# Altium PCB 10515.0461_全联供输出板(2拼版)_V1.0.PcbDoc (part 4 of 9)
Units mm, origin at the board's own origin, x right, y up, seen from the top; angles counter-clockwise.
Board outline 283.88 x 134.8 mm, 2 copper layers (Top Layer, Bottom Layer); 298 components, 0 nets, 1264 pads, 970 vias.
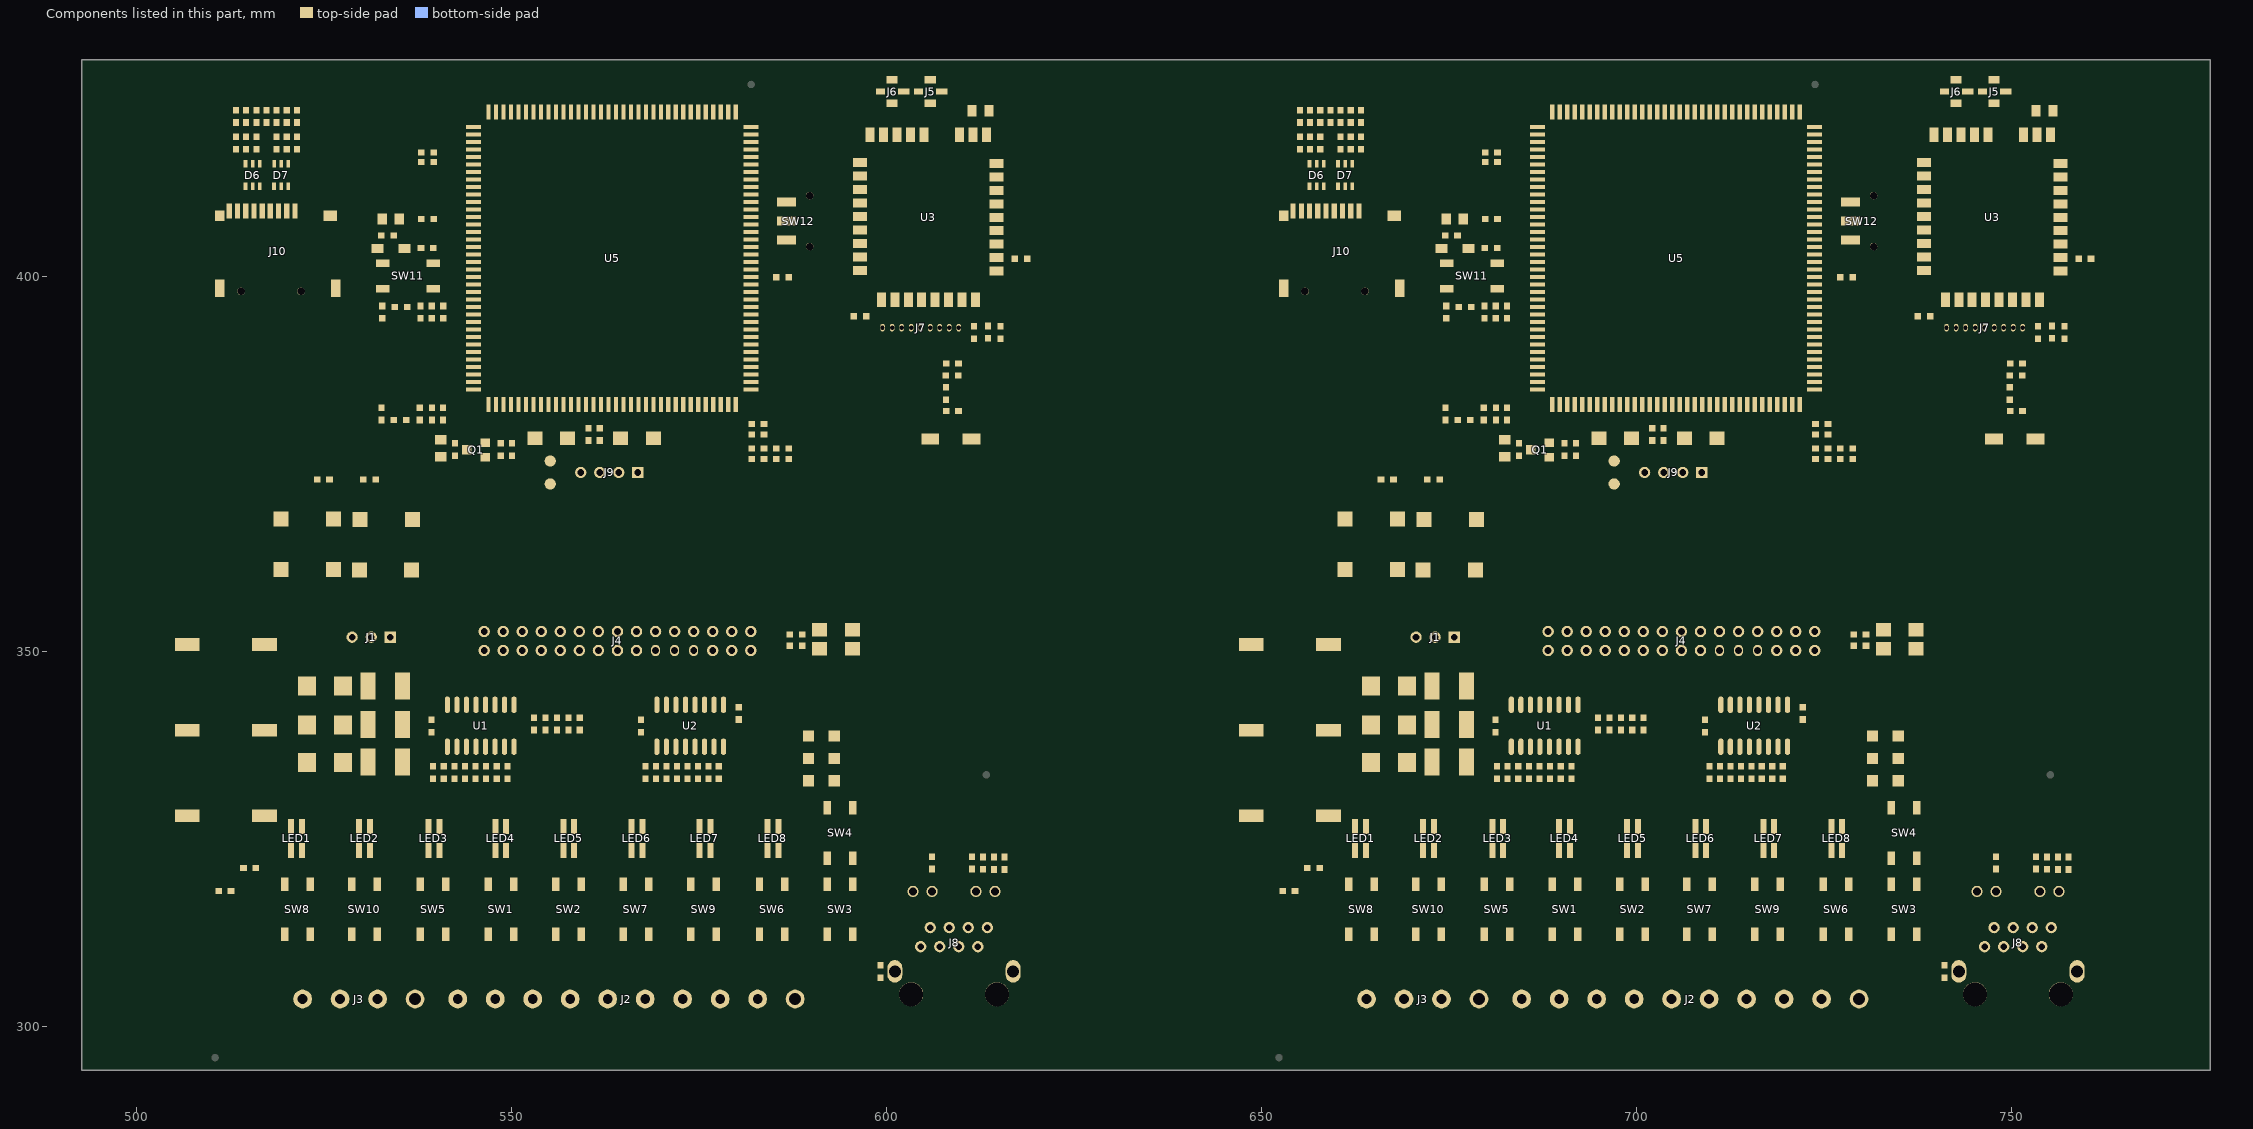
[diagram p4: the components of this part, seen from the top]

## Via types
v1: diameter 0.7, hole 0.4, Top Layer to Bottom Layer, tented both sides, 970 vias

## Nets (pads, with @x,y where several pads share a name; then routed paths per layer and width w, separated by ;. In a path a pad name is that pad's centre, name@x,y a point inside that pad or via, vN(x,y) a via of type N, cw(c..) or ccw(c..) an arc to the next point about the centre after c; other vN are vias at no path point) (continued)
copper on no net: (continued)
  Top Layer w0.3: 724.578,385.822 cw(c724.792,385.608) 724.792,385.91 cw(c724.792,386.212) 724.578,385.998 ; 724.578,386.822 cw(c724.792,386.608) 724.792,386.91 cw(c724.792,387.212) 724.578,386.998 ; 724.578,388.822 cw(c724.792,388.608) 724.792,388.91 cw(c724.792,389.212) 724.578,388.998 ; 724.578,389.822 cw(c724.792,389.608) 724.792,389.91 cw(c724.792,390.212) 724.578,389.998 ; 724.578,399.822 cw(c724.792,399.608) 724.792,399.91 cw(c724.792,400.212) 724.578,399.998 ; 724.578,406.822 cw(c724.792,406.608) 724.792,406.91 cw(c724.792,407.212) 724.578,406.998 ; 724.578,407.822 cw(c724.792,407.608) 724.792,407.91 cw(c724.792,408.212) 724.578,407.998 ; 724.677,303.604 724.677,305.94 725.084,306.347 733.247,306.347 735.273,308.373 739.083,308.373 741.016,310.306 741.016,336.751 740.508,337.259 731.815,337.259 731.46,337.614 ; 725.528,378.915 731.561,378.915 731.95,378.526 731.95,356.436 ; 725.528,380.312 731.815,380.312 732.577,379.55 732.577,355.547 ; 725.748,378.734 cw(c726.186,378.296) 726.186,378.915 cw(c726.186,379.534) 725.748,379.096 ; 725.748,380.131 cw(c726.186,379.693) 726.186,380.312 cw(c726.186,380.931) 725.748,380.493 ; 725.796,327.393 ccw(c725.369,327.82) 725.973,327.82 ccw(c726.577,327.82) 726.15,327.393 ; 726.426,399.91 cw(c726.426,399.154) 726.96,399.689 ; v1(726.611,312.243) 728.327,312.243 ; 726.619,399.91 ccw(c726.619,400.392) 726.96,400.051 ; v1@726.752,312.101 cw(c727.094,311.76) 727.094,312.243 cw(c727.094,312.726) v1@726.752,312.384 ; 727.256,327.368 ccw(c726.829,327.795) 727.433,327.795 ccw(c728.037,327.795) 727.61,327.368 ; 727.525,404.505 ccw(c726.757,403.737) 726.757,404.823 ccw(c726.757,405.909) 727.525,405.141 ; 727.525,409.585 ccw(c726.757,408.817) 726.757,409.903 ccw(c726.757,410.989) 727.525,410.221 ; 728.08,311.995 ccw(c727.482,311.398) 727.482,312.243 ccw(c727.482,313.088) 728.08,312.49 ; 728.479,350.277 ccw(c728.035,350.721) 728.663,350.721 ; 728.488,350.286 cw(c728.919,349.855) 728.919,350.465 ; 728.513,407.363 730.291,407.363 730.672,406.982 730.672,400.124 730.418,399.87 728.83,399.87 ; 729.05,399.689 cw(c729.488,399.251) 729.488,399.87 cw(c729.488,400.489) 729.05,400.051 ; 729.161,304.576 ccw(c728.707,305.433) 729.677,305.433 ; 729.302,304.311 ccw(c728.971,304.934) 729.677,304.934 ccw(c730.383,304.934) 730.052,304.311 ; 729.501,407.045 cw(c730.269,406.277) 730.269,407.363 cw(c730.269,408.449) 729.501,407.681 ; v1@729.642,377.758 ccw(c729.3,377.416) 729.3,377.899 ccw(c729.3,378.382) v1@729.642,378.04 ; 729.677,303.604 729.677,305.433 ; 730.193,304.576 cw(c730.647,305.433) 729.677,305.433 ; v1@730.72,390.678 753.532,390.678 754.119,390.678 754.421,390.98 754.421,393.33 ; v1@730.813,390.585 cw(c731.038,390.36) 731.038,390.678 ; v1@730.813,390.867 ccw(c731.272,391.326) 731.272,390.678 ; 731.148,338.169 cw(c730.811,337.614) 731.46,337.614 ; 731.207,332.168 cw(c731.023,331.772) 731.46,331.772 ; v1@731.42,355.66 ccw(c731.078,355.318) 731.078,355.801 ccw(c731.078,356.284) v1@731.42,355.942 ; v1@731.426,355.92 731.434,355.92 731.95,356.436 ; 731.46,332.712 731.46,331.772 ; 731.46,338.681 731.46,337.614 ; v1@731.546,356 ccw(c731.513,356.436) 731.95,356.436 ; v1@731.568,355.701 ccw(c731.538,356.113) 731.95,356.113 ; v1@731.627,355.99 ccw(c731.73,356.283) 731.95,356.063 ; 731.713,332.168 ccw(c731.896,331.772) 731.46,331.772 ; v1@731.758,355.834 cw(c732.436,355.95) 731.95,356.436 ; 731.772,338.169 ccw(c732.109,337.614) 731.46,337.614 ; 732.536,354.277 732.536,354.445 732.069,354.912 732.577,355.42 732.577,355.547 ; 732.577,354.912 732.577,355.547 ; 734.889,335.697 739.992,335.697 ; 734.889,338.681 736.108,338.681 ; 735.313,332.288 cw(c736.337,331.264) 736.337,332.712 cw(c736.337,334.161) 735.313,333.137 ; 735.313,335.273 cw(c736.337,334.248) 736.337,335.697 cw(c736.337,337.145) 735.313,336.121 ; 735.364,338.316 cw(c736.108,337.744) 736.108,338.681 ; 735.364,339.047 ccw(c736.108,339.619) 736.108,338.681 ; v1@735.484,392.518 ccw(c735.142,392.86) 735.625,392.86 ccw(c736.108,392.86) v1@735.766,392.518 ; v1(735.625,392.377) 735.625,403.807 736.189,404.371 738.336,404.371 ; 736.309,393.483 cw(c736.486,393.185) 736.731,393.43 ; v1@736.463,393.225 cw(c736.69,392.844) 737.003,393.158 ; 736.474,393.687 cw(c736.075,393.289) v1@736.609,393.107 ; v1@736.627,332.571 ccw(c736.285,332.23) 736.285,332.712 ccw(c736.285,333.195) v1@736.627,332.854 ; v1@736.63,393.302 cw(c736.967,393.774) 736.387,393.774 ; v1@736.655,392.998 cw(c736.997,392.656) 736.997,393.139 cw(c736.997,393.622) v1@736.655,393.28 ; v1@736.909,332.571 cw(c737.251,332.23) 737.251,332.712 cw(c737.251,333.195) v1@736.909,332.854 ; 737.276,393.139 737.022,393.139 736.387,393.774 ; 737.329,394.844 ccw(c736.891,395.282) 737.51,395.282 ccw(c738.13,395.282) 737.692,394.844 ; v1@737.389,395.411 cw(c737.094,395.116) 737.51,395.116 ; v1@737.389,395.693 ccw(c737.094,395.988) 737.51,395.988 ; 737.51,394.663 737.51,399.945 738.336,400.771 ; 737.51,395.022 cw(c738.06,395.022) v1@737.671,395.411 ; 737.51,396.082 ccw(c738.06,396.082) v1@737.671,395.693 ; 737.668,402.253 ccw(c736.9,401.485) 736.9,402.571 ccw(c736.9,403.657) 737.668,402.889 ; 737.668,404.053 ccw(c736.9,403.285) 736.9,404.371 ccw(c736.9,405.457) 737.668,404.689 ; 738.336,402.571 736.802,402.571 736.387,402.156 736.387,393.774 ; 739.054,335.697 ccw(c739.054,336.31) v1@739.488,335.876 ; 739.161,394.663 741.34,394.663 ; 739.238,335.697 cw(c739.238,335.344) v1@739.488,335.594 ; 739.381,394.482 cw(c739.819,394.044) 739.819,394.663 cw(c739.819,395.282) 739.381,394.844 ; v1@739.744,335.571 cw(c739.927,335.307) 740.154,335.535 ; v1@739.778,335.601 cw(c739.992,335.409) 739.992,335.697 ; v1@739.813,335.815 ccw(c739.992,335.893) 739.992,335.697 ; 740.868,396.203 cw(c740.1,395.435) 741.186,395.435 cw(c742.272,395.435) 741.504,396.203 ; 741.042,308.151 cw(c741.612,308.151) 741.209,308.553 ; 741.086,308.407 ccw(c741.086,309.118) 741.589,308.615 ; 741.186,396.871 741.186,394.817 741.34,394.663 ; 741.219,306.719 ccw(c741.432,307.068) 741.721,306.779 ; 741.234,393.033 ccw(c740.978,392.777) 740.978,393.139 ccw(c740.978,393.501) 741.234,393.245 ; 741.267,306.28 cw(c741.705,305.842) 741.705,306.462 cw(c741.705,307.081) 741.267,306.643 ; 741.339,306.456 cw(c741.721,306.391) 741.721,306.779 ; 741.34,393.139 v1@736.768,393.139 ; 741.403,306.779 741.721,306.779 ; 741.497,308.523 ccw(c741.869,308.151) 741.342,308.151 cw(c742.636,308.151) 741.721,309.065 ; 741.749,306.807 cw(c742.386,306.169) 743.009,306.821 ; 741.755,306.496 cw(c742.342,305.908) 742.828,306.582 ; 741.966,307.024 cw(c742.598,306.391) 743.216,307.038 ; 742.126,306.841 cw(c741.721,306.867) 741.721,306.462 ; 742.227,307.285 741.721,306.779 ; 742.316,393.687 cw(c741.967,393.339) 742.46,393.339 ; 742.356,309.383 741.086,308.113 741.086,308.43 742.102,309.446 744.388,309.446 744.642,309.192 750.865,309.192 751.504,309.831 751.504,310.585 ; 742.367,306.19 ccw(c741.721,305.558) 741.721,306.462 ; 742.61,393.139 742.61,393.393 741.34,394.663 ; 742.661,396.202 cw(c741.899,395.437) 742.979,395.437 ; 742.979,396.871 742.979,395.437 ; 743.297,396.202 ccw(c744.059,395.437) 742.979,395.437 ; 743.774,393.445 ccw(c743.518,393.701) 743.88,393.701 ccw(c744.242,393.701) 743.986,393.445 ; 743.88,393.139 743.88,394.536 742.979,395.437 ; 744.454,396.203 cw(c743.685,395.435) 744.772,395.435 cw(c745.858,395.435) 745.09,396.203 ; 744.772,396.871 744.772,395.295 745.15,394.917 745.15,393.139 ; 745.044,393.445 ccw(c744.788,393.701) 745.15,393.701 ccw(c745.512,393.701) 745.256,393.445 ; 746.246,396.203 cw(c745.827,395.784) 746.42,395.784 ; 746.314,393.445 ccw(c746.058,393.701) 746.42,393.701 ccw(c746.782,393.701) 746.526,393.445 ; 746.42,393.139 746.42,396.726 ; 746.42,395.086 cw(c748,395.086) 746.883,396.203 ; 746.42,395.81 cw(c747.276,395.81) 746.671,396.415 ; 746.424,310.585 746.424,315.165 747.182,315.923 748.96,315.923 749.468,316.431 v1(749.468,339.418) ; 747.27,313.549 ccw(c746.245,314.574) 747.694,314.574 ccw(c749.143,314.574) 748.118,313.549 ; 747.52,318.379 ccw(c746.495,319.404) 747.944,319.404 ccw(c749.392,319.403) 748.368,318.379 ; 747.584,393.445 ccw(c747.328,393.701) 747.69,393.701 ccw(c748.052,393.701) 747.796,393.445 ; 747.69,393.139 747.69,394.79 748.357,395.457 ; 747.694,313.125 747.694,314.657 748.198,315.161 749.468,315.161 750.23,315.923 v1(750.23,338.783) ; 747.763,320.72 cw(c747.325,320.282) 747.944,320.282 cw(c748.563,320.282) 748.125,320.72 ; 747.944,317.955 747.944,320.94 ; 747.944,322.591 v1@748.769,322.591 ; 748.044,396.198 cw(c747.326,395.457) 748.357,395.457 ; 748.07,322.591 cw(c748.07,321.891) v1@748.565,322.386 ; 748.125,322.409 cw(c748.563,321.971) 748.563,322.591 cw(c748.563,323.21) 748.125,322.772 ; v1@748.311,325.716 ccw(c747.969,326.058) 748.452,326.058 ccw(c748.935,326.058) v1@748.593,325.716 ; 748.357,396.871 748.357,395.457 ; 748.671,396.198 ccw(c749.389,395.457) 748.357,395.457 ; v1@749.268,341.577 ccw(c748.785,341.577) 749.127,341.918 ccw(c749.468,342.26) v1@749.468,341.777 ; v1@749.327,339.277 cw(c748.985,338.935) 749.468,338.935 cw(c749.951,338.935) v1@749.609,339.277 ; 749.832,396.203 cw(c748.871,395.242) 750.23,395.242 ; v1@750.03,342.212 ccw(c749.547,342.212) 749.889,342.553 ccw(c750.23,342.895) v1@750.23,342.412 ; v1@750.089,338.642 cw(c749.747,338.3) 750.23,338.3 cw(c750.713,338.3) v1@750.371,338.642 ; 750.124,393.445 ccw(c749.868,393.701) 750.23,393.701 ccw(c750.592,393.701) 750.336,393.445 ; 750.15,396.871 750.23,396.791 750.23,393.139 ; 750.23,395.627 cw(c751.044,395.627) 750.468,396.203 ; v1(752.389,323.797) 755.818,323.797 756.199,323.416 756.199,322.541 757.596,322.541 ; v1@752.45,322.588 753.286,322.588 ; v1@752.53,322.386 cw(c753.02,321.896) 753.02,322.588 ; v1@752.53,323.656 cw(c752.872,323.314) 752.872,323.797 cw(c752.872,324.28) v1@752.53,323.938 ; v1(752.897,324.94) 758.485,324.94 758.866,324.559 758.866,318.717 758.104,317.955 756.334,317.955 ; v1@753.038,324.799 cw(c753.38,324.457) 753.38,324.94 cw(c753.38,325.423) v1@753.038,325.081 ; 753.104,320.718 cw(c752.667,320.28) 753.286,320.28 cw(c753.905,320.28) 753.467,320.718 ; 753.104,322.407 ccw(c752.667,321.969) 752.667,322.588 ccw(c752.667,323.207) 753.104,322.77 ; v1@753.137,319.747 ccw(c752.776,320.108) 753.286,320.108 ; v1@753.286,319.614 753.286,320.937 756.151,320.937 ; 753.286,320.07 ccw(c753.742,320.07) v1@753.419,319.747 ; 753.331,322.543 754.725,322.543 ; 753.386,418.871 753.386,418.989 ; 753.467,320.756 cw(c753.905,320.318) 753.905,320.937 cw(c753.905,321.556) 753.467,321.119 ; 753.467,322.369 cw(c753.887,321.948) 753.887,322.543 ; 753.467,322.731 ccw(c753.922,323.186) 753.922,322.543 ; 753.62,311.009 ccw(c752.595,312.034) 754.044,312.034 ccw(c755.492,312.034) 754.468,311.009 ; 753.89,318.821 ccw(c754.384,318.328) 753.794,317.955 753.794,318.725 754.421,319.352 ; 754.048,318.115 cw(c754.709,318.533) 754.156,319.087 ; 754.089,320.937 cw(c754.089,320.294) 754.544,320.749 ; 754.123,320.937 ccw(c754.123,321.532) 754.544,321.111 ; 754.301,318.276 cw(c755.034,318.739) 754.421,319.352 ; 754.544,322.362 ccw(c754.106,321.924) 754.106,322.543 ccw(c754.106,323.162) 754.544,322.724 ; 754.906,320.749 cw(c755.361,320.294) 755.361,320.937 ; 754.906,321.111 ccw(c755.327,321.532) 755.327,320.937 ; 755.557,320.937 cw(c755.557,320.286) 756.018,320.746 ; 755.603,320.937 ccw(c755.603,321.524) 756.018,321.109 ; 756.018,322.76 ccw(c755.58,323.198) 756.199,323.198 ccw(c756.818,323.198) 756.38,322.76 ; 756.38,322.359 cw(c756.818,321.922) 756.818,322.541 cw(c756.818,323.16) 756.38,322.722 ; 756.536,404.271 756.58,404.271 ; 757.269,393.148 cw(c757.707,392.71) 757.707,393.33 cw(c757.707,393.949) 757.269,393.511 ; 757.269,393.186 cw(c758.075,392.381) 758.075,393.52 ; 757.415,320.67 cw(c756.977,320.232) 757.596,320.232 cw(c758.215,320.232) 757.777,320.67 ; 757.415,322.359 ccw(c756.977,321.922) 756.977,322.541 ccw(c756.977,323.16) 757.415,322.722 ; 757.596,320.89 757.596,319.606 757.342,319.352 754.421,319.352 ; v1@758.463,404.293 v1(758.463,404.315) ; 758.805,402.471 758.943,402.333 759.247,402.029 759.247,393.849 758.727,393.33 756.707,393.33 756.897,393.33 757.088,393.52 758.612,393.52 758.993,393.901 758.993,402.283 ; 758.993,401.683 cw(c759.655,401.683) 759.187,402.152 ; 758.993,401.745 ccw(c758.417,401.745) 758.824,402.152 cw(c757.804,401.131) 759.247,401.131 ; 759.037,402.364 cw(c758.528,401.856) 759.247,401.856 ; 544.576,383.36 544.576,384.63 544.856,384.91 544.865,384.91 ; 558.8,314.272 558.9,314.272 ; 567.39,327.688 567.771,328.069 ; 587.777,305.433 588.137,305.793 591.576,305.793 593.602,307.819 597.412,307.819 599.67,310.077 599.67,337.57 599.392,337.848 595.041,337.848 594.208,338.681 ; 590.05,356.063 590.05,356.436 ; 594.487,393.52 ccw(c594.672,393.52) 594.644,393.337 cw(c594.672,393.52) 594.487,393.52 ; 594.487,393.52 594.487,393.139 v1@594.868,393.139 ; 594.487,393.52 594.487,393.774 ; 594.487,393.52 v1@594.868,393.139 ; 599.821,306.462 600.644,307.285 601.074,307.285 600.25,306.462 599.821,306.462 ; 599.821,306.462 599.186,306.462 599.504,306.462 599.821,306.779 ; 686.476,383.36 686.476,384.63 686.756,384.91 686.765,384.91 ; 700.7,314.272 700.8,314.272 ; 709.29,327.688 709.671,328.069 ; 729.677,305.433 730.037,305.793 733.476,305.793 735.502,307.819 739.312,307.819 741.57,310.077 741.57,337.57 741.292,337.848 736.941,337.848 736.108,338.681 ; 731.95,356.063 731.95,356.436 ; 736.387,393.52 ccw(c736.572,393.52) 736.544,393.337 cw(c736.572,393.52) 736.387,393.52 ; 736.387,393.52 736.387,393.139 v1@736.768,393.139 ; 736.387,393.52 736.387,393.774 ; 736.387,393.52 v1@736.768,393.139 ; 741.721,306.462 742.544,307.285 742.974,307.285 742.15,306.462 741.721,306.462 ; 741.721,306.462 741.086,306.462 741.403,306.462 741.721,306.779
  Top Layer w0.4: 550.037,377.709 550.865,378.537 550.865,382.91 ; 550.037,377.953 ccw(c550.037,378.543) 550.454,378.126 ; 550.243,377.747 cw(c550.65,377.747) 550.362,378.034 ; 691.937,377.709 692.765,378.537 692.765,382.91 ; 691.937,377.953 ccw(c691.937,378.543) 692.354,378.126 ; 692.143,377.747 cw(c692.55,377.747) 692.262,378.034
  Top Layer w0.45: 519.491,311.648 cw(c519.022,311.179) 519.686,311.179 cw(c520.35,311.179) 519.88,311.648 ; 519.491,312.837 ccw(c519.022,313.307) 519.686,313.307 ccw(c520.35,313.307) 519.88,312.837 ; 519.491,318.348 cw(c519.022,317.879) 519.686,317.879 cw(c520.35,317.879) 519.88,318.348 ; 519.686,318.943 519.686,312.243 519.686,309.698 520.192,309.192 582.041,309.192 583.027,310.178 583.027,310.208 ; 522.891,312.837 ccw(c522.422,313.307) 523.086,313.307 ccw(c523.75,313.307) 523.28,312.837 ; 522.891,318.348 cw(c522.422,317.879) 523.086,317.879 cw(c523.75,317.879) 523.28,318.348 ; 523.086,312.243 523.086,318.943 ; 528.438,312.837 ccw(c527.969,313.307) 528.633,313.307 ccw(c529.297,313.307) 528.827,312.837 ; 528.438,318.348 cw(c527.969,317.879) 528.633,317.879 cw(c529.297,317.879) 528.827,318.348 ; 528.633,312.878 528.633,318.943 ; 531.838,311.648 cw(c531.369,311.179) 532.033,311.179 cw(c532.697,311.179) 532.227,311.648 ; 531.838,312.837 ccw(c531.369,313.307) 532.033,313.307 ccw(c532.697,313.307) 532.227,312.837 ; 531.838,318.348 cw(c531.369,317.879) 532.033,317.879 cw(c532.697,317.879) 532.227,318.348 ; 532.033,318.943 532.033,312.243 532.033,310.462 ; 532.599,309.896 532.033,310.462 ; 537.589,312.837 ccw(c537.119,313.307) 537.783,313.307 ccw(c538.447,313.307) 537.978,312.837 ; 537.589,318.348 cw(c537.119,317.879) 537.783,317.879 cw(c538.447,317.879) 537.978,318.348 ; 537.783,312.243 537.783,318.943 537.783,319.544 ; 537.783,313.821 cw(c538.296,313.821) v1@537.933,314.184 ; 537.783,314.723 ccw(c538.296,314.723) v1@537.933,314.36 ; 539.292,339.189 539.521,339.418 v1(540.258,339.418) ; 539.292,340.84 v1(541.401,340.84) 541.401,342.847 ; 539.42,339.099 cw(c540.19,338.33) v1@540.19,339.418 ; 539.42,340.712 cw(c539.73,340.402) 539.73,340.84 cw(c539.73,341.278) 539.42,340.969 ; 540.843,394.384 542.265,394.384 542.791,394.91 ; 540.968,395.91 542.671,395.91 ; 540.971,394.255 cw(c541.281,393.946) 541.281,394.384 cw(c541.281,394.822) 540.971,394.512 ; 540.971,394.293 cw(c541.833,393.432) 541.833,394.65 ; 540.971,395.944 cw(c541.682,395.233) 541.682,396.239 ; 540.971,396.125 ccw(c541.49,396.643) 541.49,395.91 ; 540.989,312.837 ccw(c540.519,313.307) 541.183,313.307 ccw(c541.847,313.307) 541.378,312.837 ; 540.989,318.348 cw(c540.519,317.879) 541.183,317.879 cw(c541.847,317.879) 541.378,318.348 ; 541.047,396.239 542.111,396.239 ; 541.11,394.65 541.922,394.65 ; 541.183,312.243 541.183,318.943 ; 541.655,394.384 541.922,394.65 ; 541.782,395.91 542.111,396.239 ; 542.163,395.91 542.267,395.91 542.671,396.314 ; 543.941,342.847 v1(543.941,344.371) ; 544.865,394.91 542.791,394.91 ; 544.865,395.91 542.671,395.91 ; 544.865,396.91 542.759,396.91 542.671,396.822 ; 545.211,342.847 v1(545.211,339.418) v1(550.291,339.418) 550.291,337.259 ; 546.638,312.837 ccw(c546.168,313.307) 546.832,313.307 ccw(c547.496,313.307) 547.027,312.837 ; 546.638,318.348 cw(c546.168,317.879) 546.832,317.879 cw(c547.496,317.879) 547.027,318.348 ; 546.832,311.381 547.497,310.716 548.005,310.716 ; 546.832,311.568 cw(c546.832,310.792) 547.38,311.341 ; 546.832,318.943 546.832,312.243 546.832,311.889 548.005,310.716 ; 547.09,311.748 ccw(c547.804,311.485) 547.266,310.947 ; 547.107,311.843 ccw(c547.66,311.843) 547.269,311.452 ; v1(549.021,340.815) 549.021,342.847 ; 550.038,312.837 ccw(c549.568,313.307) 550.232,313.307 ccw(c550.896,313.307) 550.427,312.837 ; 550.038,318.348 cw(c549.568,317.879) 550.232,317.879 cw(c550.896,317.879) 550.427,318.348 ; 550.232,312.243 550.232,318.531 ; 555.686,312.837 ccw(c555.217,313.307) 555.881,313.307 ccw(c556.545,313.307) 556.075,312.837 ; 555.686,318.348 cw(c555.217,317.879) 555.881,317.879 cw(c556.545,317.879) 556.075,318.348 ; 555.686,319.537 ccw(c555.217,320.007) 555.881,320.007 ccw(c556.545,320.007) 556.075,319.537 ; 555.881,312.243 555.881,318.943 555.881,320.878 556.387,321.384 590.296,321.384 590.804,321.892 590.804,330.02 591.439,330.655 595.249,330.655 595.476,330.428 595.476,329.103 595.476,322.403 595.476,318.943 595.476,312.243 ; 557.428,378.09 560.197,378.09 560.197,374.851 559.181,373.835 ; 557.687,378.566 ccw(c558.838,379.717) 558.838,378.09 ; 558.005,377.93 cw(c558.391,377.544) 558.391,378.09 ; 558.005,378.884 ccw(c559.924,380.803) 559.924,378.09 ; 559.054,341.133 559.371,340.815 v1(560.07,340.815) cw(c560.07,341.984) 559.19,341.214 ; 559.086,312.837 ccw(c558.617,313.307) 559.281,313.307 ccw(c559.945,313.307) 559.475,312.837 ; 559.086,318.348 cw(c558.617,317.879) 559.281,317.879 cw(c559.945,317.879) 559.475,318.348 ; 559.181,374.36 ccw(c559.181,375.627) 560.077,374.731 ccw(c560.973,373.835) 559.706,373.835 ; 559.281,312.243 559.281,314.272 559.281,318.943 ; 560.069,377.923 cw(c559.759,377.613) 560.197,377.613 cw(c560.635,377.613) 560.325,377.923 ; 560.069,377.961 ccw(c559.759,377.652) 559.759,378.09 ccw(c559.759,378.527) 560.069,378.218 ; v1@560.07,340.69 cw(c560.07,339.775) 560.717,340.422 ; v1@560.324,340.815 560.705,340.434 v1(560.705,337.132) ; 561.593,377.923 cw(c561.283,377.613) 561.721,377.613 cw(c562.159,377.613) 561.849,377.923 ; 561.721,373.835 561.721,378.09 564.172,378.09 564.49,378.407 ; 561.849,377.961 cw(c562.159,377.652) 562.159,378.09 cw(c562.159,378.527) 561.849,378.218 ; 561.994,378.09 ccw(c561.994,380.803) 563.913,378.884 ; 563.08,378.09 ccw(c563.08,379.717) 564.231,378.566 ; 563.527,378.09 cw(c563.527,377.544) 563.913,377.93 ; 564.16,310.869 ccw(c563.211,311.818) 564.553,311.839 ; 564.633,311.648 cw(c564.164,311.179) 564.828,311.179 cw(c565.492,311.179) 565.022,311.648 ; 564.633,312.837 ccw(c564.164,313.307) 564.828,313.307 ccw(c565.492,313.307) 565.022,312.837 ; 564.633,318.348 cw(c564.164,317.879) 564.828,317.879 cw(c565.492,317.879) 565.022,318.348 ; 564.769,311.478 564.007,310.716 ; 564.828,318.943 564.828,312.243 ; 565.022,312.048 cw(c565.492,311.579) 565.492,312.243 cw(c565.492,312.907) 565.022,312.437 ; v1(566.417,312.243) 564.828,312.243 ; 567.232,340.84 v1(569.341,340.84) 569.341,342.847 ; 567.36,339.099 cw(c568.13,338.33) v1@568.13,339.418 ; 567.36,340.712 cw(c567.67,340.402) 567.67,340.84 cw(c567.67,341.278) 567.36,340.969 ; 567.461,339.418 v1(568.325,339.418) ; 567.662,309.896 568.228,310.462 ; 568.033,311.648 cw(c567.564,311.179) 568.228,311.179 cw(c568.892,311.179) 568.422,311.648 ; 568.033,312.837 ccw(c567.564,313.307) 568.228,313.307 ccw(c568.892,313.307) 568.422,312.837 ; 568.033,318.348 cw(c567.564,317.879) 568.228,317.879 cw(c568.892,317.879) 568.422,318.348 ; 568.228,309.993 568.228,310.462 ; 568.228,318.943 568.228,312.243 568.228,310.462 ; 568.96,309.896 568.394,310.462 568.228,310.462 ; 573.151,342.847 v1(573.151,339.418) 578.231,339.418 ; 573.682,312.837 ccw(c573.213,313.307) 573.877,313.307 ccw(c574.541,313.307) 574.071,312.837 ; 573.682,318.348 cw(c573.213,317.879) 573.877,317.879 cw(c574.541,317.879) 574.071,318.348 ; 573.877,312.243 573.877,318.943 ; 576.961,342.847 v1(576.961,340.815) 580.199,340.815 ; 577.082,311.648 cw(c576.613,311.179) 577.277,311.179 cw(c577.941,311.179) 577.471,311.648 ; 577.082,312.837 ccw(c576.613,313.307) 577.277,313.307 ccw(c577.941,313.307) 577.471,312.837 ; 577.082,318.348 cw(c576.613,317.879) 577.277,317.879 cw(c577.941,317.879) 577.471,318.348 ; 577.277,319.618 ccw(c577.277,320.417) 577.842,319.852 ; 577.552,319.343 cw(c578.08,319.343) 577.706,319.716 ; 578.231,337.259 578.231,339.418 ; 578.231,342.847 v1(578.993,342.847) ; 579.764,340.815 ccw(c579.764,341.34) 580.135,340.969 ; 581.66,309.192 583.027,310.559 583.027,310.716 ; v1(581.787,339.418) 578.231,339.418 ; v1(582.676,343.101) 582.676,333.576 583.54,332.712 589.56,332.712 ; 582.833,311.648 cw(c582.363,311.179) 583.027,311.179 cw(c583.691,311.179) 583.222,311.648 ; 582.833,312.837 ccw(c582.363,313.307) 583.027,313.307 ccw(c583.691,313.307) 583.222,312.837 ; 582.833,318.348 cw(c582.363,317.879) 583.027,317.879 cw(c583.691,317.879) 583.222,318.348 ; 583.027,318.943 583.027,312.243 583.027,310.716 ; 583.565,342.265 cw(c584.084,342.265) v1@583.717,342.632 ; v1@583.565,342.72 583.565,336.116 583.984,335.697 589.56,335.697 ; v1(584.581,343.101) 584.581,339.037 585.216,338.402 589.534,338.402 ; 586.233,312.837 ccw(c585.763,313.307) 586.427,313.307 ccw(c587.091,313.307) 586.622,312.837 ; 586.233,318.348 cw(c585.763,317.879) 586.427,317.879 cw(c587.091,317.879) 586.622,318.348 ; 586.427,312.243 586.427,318.943 ; 589.189,332.341 ccw(c588.292,331.445) 588.292,332.712 ccw(c588.292,333.98) 589.189,333.084 ; 589.189,335.326 ccw(c588.292,334.429) 588.292,335.697 ccw(c588.292,336.964) 589.189,336.068 ; 590.492,310.912 cw(c592.076,309.327) 592.076,311.568 ccw(c592.076,310.86) 591.576,311.361 ; 591.26,311.68 cw(c592.076,310.864) 592.076,312.018 ; 591.439,321.13 ccw(c590.567,322.003) 591.801,322.003 ; 591.619,311.404 ccw(c591.18,311.843) 591.801,311.843 ; 591.823,312.243 589.788,310.208 ; 591.881,312.837 ccw(c591.412,313.307) 592.076,313.307 ccw(c592.74,313.307) 592.27,312.837 ; 591.881,318.348 cw(c591.412,317.879) 592.076,317.879 cw(c592.74,317.879) 592.27,318.348 ; 591.881,322.997 ccw(c591.412,323.467) 592.076,323.467 ccw(c592.74,323.467) 592.27,322.997 ; 591.881,328.508 cw(c591.412,328.039) 592.076,328.039 cw(c592.74,328.039) 592.27,328.508 ; 592.076,318.943 592.076,312.243 592.076,311.861 590.423,310.208 589.788,310.208 ; 592.076,329.103 592.076,322.403 592.076,321.767 590.804,320.495 578.485,320.495 577.277,319.287 577.277,318.943 577.277,312.243 577.277,310.651 576.522,309.896 532.188,309.896 532.033,310.051 532.033,310.462 ; 595.281,312.837 ccw(c594.812,313.307) 595.476,313.307 ccw(c596.14,313.307) 595.67,312.837 ; 595.281,318.348 cw(c594.812,317.879) 595.476,317.879 cw(c596.14,317.879) 595.67,318.348 ; 595.281,319.537 ccw(c594.812,320.007) 595.476,320.007 ccw(c596.14,320.007) 595.67,319.537 ; 595.281,321.808 cw(c594.812,321.339) 595.476,321.339 cw(c596.14,321.339) 595.67,321.808 ; 595.281,322.997 ccw(c594.812,323.467) 595.476,323.467 ccw(c596.14,323.467) 595.67,322.997 ; 595.281,328.508 cw(c594.812,328.039) 595.476,328.039 cw(c596.14,328.039) 595.67,328.508 ; 595.281,329.697 ccw(c594.812,330.167) 595.476,330.167 ccw(c596.14,330.167) 595.67,329.697 ; 661.391,311.648 cw(c660.922,311.179) 661.586,311.179 cw(c662.25,311.179) 661.78,311.648 ; 661.391,312.837 ccw(c660.922,313.307) 661.586,313.307 ccw(c662.25,313.307) 661.78,312.837 ; 661.391,318.348 cw(c660.922,317.879) 661.586,317.879 cw(c662.25,317.879) 661.78,318.348 ; 661.586,318.943 661.586,312.243 661.586,309.698 662.092,309.192 723.941,309.192 724.927,310.178 724.927,310.208 ; 664.791,312.837 ccw(c664.322,313.307) 664.986,313.307 ccw(c665.65,313.307) 665.18,312.837 ; 664.791,318.348 cw(c664.322,317.879) 664.986,317.879 cw(c665.65,317.879) 665.18,318.348 ; 664.986,312.243 664.986,318.943 ; 670.338,312.837 ccw(c669.869,313.307) 670.533,313.307 ccw(c671.197,313.307) 670.727,312.837 ; 670.338,318.348 cw(c669.869,317.879) 670.533,317.879 cw(c671.197,317.879) 670.727,318.348 ; 670.533,312.878 670.533,318.943 ; 673.738,311.648 cw(c673.269,311.179) 673.933,311.179 cw(c674.597,311.179) 674.127,311.648 ; 673.738,312.837 ccw(c673.269,313.307) 673.933,313.307 ccw(c674.597,313.307) 674.127,312.837 ; 673.738,318.348 cw(c673.269,317.879) 673.933,317.879 cw(c674.597,317.879) 674.127,318.348 ; 673.933,318.943 673.933,312.243 673.933,310.462 ; 674.499,309.896 673.933,310.462 ; 679.489,312.837 ccw(c679.019,313.307) 679.683,313.307 ccw(c680.347,313.307) 679.878,312.837 ; 679.489,318.348 cw(c679.019,317.879) 679.683,317.879 cw(c680.347,317.879) 679.878,318.348 ; 679.683,312.243 679.683,318.943 679.683,319.544 ; 679.683,313.821 cw(c680.196,313.821) v1@679.833,314.184 ; 679.683,314.723 ccw(c680.196,314.723) v1@679.833,314.36 ; 681.192,339.189 681.421,339.418 v1(682.158,339.418) ; 681.192,340.84 v1(683.301,340.84) 683.301,342.847 ; 681.32,339.099 cw(c682.09,338.33) v1@682.09,339.418 ; 681.32,340.712 cw(c681.63,340.402) 681.63,340.84 cw(c681.63,341.278) 681.32,340.969 ; 682.743,394.384 684.165,394.384 684.691,394.91 ; 682.868,395.91 684.571,395.91 ; 682.871,394.255 cw(c683.181,393.946) 683.181,394.384 cw(c683.181,394.822) 682.871,394.512 ; 682.871,394.293 cw(c683.733,393.432) 683.733,394.65 ; 682.871,395.944 cw(c683.582,395.233) 683.582,396.239 ; 682.871,396.125 ccw(c683.39,396.643) 683.39,395.91 ; 682.889,312.837 ccw(c682.419,313.307) 683.083,313.307 ccw(c683.747,313.307) 683.278,312.837 ; 682.889,318.348 cw(c682.419,317.879) 683.083,317.879 cw(c683.747,317.879) 683.278,318.348 ; 682.947,396.239 684.011,396.239 ; 683.01,394.65 683.822,394.65 ; 683.083,312.243 683.083,318.943 ; 683.555,394.384 683.822,394.65 ; 683.682,395.91 684.011,396.239 ; 684.063,395.91 684.167,395.91 684.571,396.314 ; 685.841,342.847 v1(685.841,344.371) ; 686.765,394.91 684.691,394.91 ; 686.765,395.91 684.571,395.91 ; 686.765,396.91 684.659,396.91 684.571,396.822 ; 687.111,342.847 v1(687.111,339.418) v1(692.191,339.418) 692.191,337.259 ; 688.538,312.837 ccw(c688.068,313.307) 688.732,313.307 ccw(c689.396,313.307) 688.926,312.837 ; 688.538,318.348 cw(c688.068,317.879) 688.732,317.879 cw(c689.396,317.879) 688.926,318.348 ; 688.732,311.381 689.397,310.716 689.905,310.716 ; 688.732,311.568 cw(c688.732,310.792) 689.28,311.341 ; 688.732,318.943 688.732,312.243 688.732,311.889 689.905,310.716 ; 688.99,311.748 ccw(c689.704,311.485) 689.166,310.947 ; 689.007,311.843 ccw(c689.56,311.843) 689.169,311.452 ; v1(690.921,340.815) 690.921,342.847 ; 691.938,312.837 ccw(c691.468,313.307) 692.132,313.307 ccw(c692.796,313.307) 692.326,312.837 ; 691.938,318.348 cw(c691.468,317.879) 692.132,317.879 cw(c692.796,317.879) 692.326,318.348 ; 692.132,312.243 692.132,318.531 ; 697.586,312.837 ccw(c697.117,313.307) 697.781,313.307 ccw(c698.445,313.307) 697.975,312.837 ; 697.586,318.348 cw(c697.117,317.879) 697.781,317.879 cw(c698.445,317.879) 697.975,318.348 ; 697.586,319.537 ccw(c697.117,320.007) 697.781,320.007 ccw(c698.445,320.007) 697.975,319.537 ; 697.781,312.243 697.781,318.943 697.781,320.878 698.287,321.384 732.196,321.384 732.704,321.892 732.704,330.02 733.339,330.655 737.149,330.655 737.376,330.428 737.376,329.103 737.376,322.403 737.376,318.943 737.376,312.243 ; 699.328,378.09 702.097,378.09 702.097,374.851 701.081,373.835 ; 699.587,378.566 ccw(c700.738,379.717) 700.738,378.09 ; 699.905,377.93 cw(c700.291,377.544) 700.291,378.09 ; 699.905,378.884 ccw(c701.824,380.803) 701.824,378.09 ; 700.954,341.133 701.271,340.815 v1(701.97,340.815) cw(c701.97,341.984) 701.09,341.214 ; 700.986,312.837 ccw(c700.517,313.307) 701.181,313.307 ccw(c701.845,313.307) 701.375,312.837 ; 700.986,318.348 cw(c700.517,317.879) 701.181,317.879 cw(c701.845,317.879) 701.375,318.348 ; 701.081,374.36 ccw(c701.081,375.627) 701.977,374.731 ccw(c702.873,373.835) 701.606,373.835 ; 701.181,312.243 701.181,314.272 701.181,318.943 ; 701.969,377.923 cw(c701.659,377.613) 702.097,377.613 cw(c702.535,377.613) 702.225,377.923 ; 701.969,377.961 ccw(c701.659,377.652) 701.659,378.09 ccw(c701.659,378.527) 701.969,378.218 ; v1@701.97,340.69 cw(c701.97,339.775) 702.617,340.422 ; v1@702.224,340.815 702.605,340.434 v1(702.605,337.132) ; 703.493,377.923 cw(c703.183,377.613) 703.621,377.613 cw(c704.059,377.613) 703.749,377.923 ; 703.621,373.835 703.621,378.09 706.072,378.09 706.39,378.407 ; 703.749,377.961 cw(c704.059,377.652) 704.059,378.09 cw(c704.059,378.527) 703.749,378.218 ; 703.894,378.09 ccw(c703.894,380.803) 705.813,378.884 ; 704.98,378.09 ccw(c704.98,379.717) 706.131,378.566 ; 705.427,378.09 cw(c705.427,377.544) 705.813,377.93 ; 706.06,310.869 ccw(c705.111,311.818) 706.453,311.839 ; 706.533,311.648 cw(c706.064,311.179) 706.728,311.179 cw(c707.392,311.179) 706.922,311.648 ; 706.533,312.837 ccw(c706.064,313.307) 706.728,313.307 ccw(c707.392,313.307) 706.922,312.837 ; 706.533,318.348 cw(c706.064,317.879) 706.728,317.879 cw(c707.392,317.879) 706.922,318.348 ; 706.669,311.478 705.907,310.716 ; 706.728,318.943 706.728,312.243 ; 706.922,312.048 cw(c707.392,311.579) 707.392,312.243 cw(c707.392,312.907) 706.922,312.437 ; v1(708.317,312.243) 706.728,312.243 ; 709.132,340.84 v1(711.241,340.84) 711.241,342.847 ; 709.26,339.099 cw(c710.03,338.33) v1@710.03,339.418 ; 709.26,340.712 cw(c709.57,340.402) 709.57,340.84 cw(c709.57,341.278) 709.26,340.969 ; 709.361,339.418 v1(710.225,339.418) ; 709.562,309.896 710.128,310.462 ; 709.933,311.648 cw(c709.464,311.179) 710.128,311.179 cw(c710.792,311.179) 710.322,311.648 ; 709.933,312.837 ccw(c709.464,313.307) 710.128,313.307 ccw(c710.792,313.307) 710.322,312.837 ; 709.933,318.348 cw(c709.464,317.879) 710.128,317.879 cw(c710.792,317.879) 710.322,318.348 ; 710.128,309.993 710.128,310.462 ; 710.128,318.943 710.128,312.243 710.128,310.462 ; 710.86,309.896 710.294,310.462 710.128,310.462 ; 715.051,342.847 v1(715.051,339.418) 720.131,339.418 ; 715.582,312.837 ccw(c715.113,313.307) 715.777,313.307 ccw(c716.441,313.307) 715.971,312.837 ; 715.582,318.348 cw(c715.113,317.879) 715.777,317.879 cw(c716.441,317.879) 715.971,318.348 ; 715.777,312.243 715.777,318.943 ; 718.861,342.847 v1(718.861,340.815) 722.099,340.815 ; 718.982,311.648 cw(c718.513,311.179) 719.177,311.179 cw(c719.841,311.179) 719.371,311.648 ; 718.982,312.837 ccw(c718.513,313.307) 719.177,313.307 ccw(c719.841,313.307) 719.371,312.837 ; 718.982,318.348 cw(c718.513,317.879) 719.177,317.879 cw(c719.841,317.879) 719.371,318.348 ; 719.177,319.618 ccw(c719.177,320.417) 719.742,319.852 ; 719.452,319.343 cw(c719.98,319.343) 719.606,319.716 ; 720.131,337.259 720.131,339.418 ; 720.131,342.847 v1(720.893,342.847) ; 721.664,340.815 ccw(c721.664,341.34) 722.035,340.969 ; 723.56,309.192 724.927,310.559 724.927,310.716 ; v1(723.687,339.418) 720.131,339.418 ; v1(724.576,343.101) 724.576,333.576 725.44,332.712 731.46,332.712 ; 724.733,311.648 cw(c724.263,311.179) 724.927,311.179 cw(c725.591,311.179) 725.121,311.648 ; 724.733,312.837 ccw(c724.263,313.307) 724.927,313.307 ccw(c725.591,313.307) 725.121,312.837 ; 724.733,318.348 cw(c724.263,317.879) 724.927,317.879 cw(c725.591,317.879) 725.121,318.348 ; 724.927,318.943 724.927,312.243 724.927,310.716 ; 725.465,342.265 cw(c725.984,342.265) v1@725.617,342.632 ; v1@725.465,342.72 725.465,336.116 725.884,335.697 731.46,335.697 ; v1(726.481,343.101) 726.481,339.037 727.116,338.402 731.434,338.402 ; 728.133,312.837 ccw(c727.663,313.307) 728.327,313.307 ccw(c728.991,313.307) 728.521,312.837 ; 728.133,318.348 cw(c727.663,317.879) 728.327,317.879 cw(c728.991,317.879) 728.521,318.348 ; 728.327,312.243 728.327,318.943 ; 731.089,332.341 ccw(c730.192,331.445) 730.192,332.712 ccw(c730.192,333.98) 731.089,333.084 ; 731.089,335.326 ccw(c730.192,334.429) 730.192,335.697 ccw(c730.192,336.964) 731.089,336.068 ; 732.392,310.912 cw(c733.976,309.327) 733.976,311.568 ccw(c733.976,310.86) 733.476,311.361 ; 733.16,311.68 cw(c733.976,310.864) 733.976,312.018 ; 733.339,321.13 ccw(c732.467,322.003) 733.701,322.003 ; 733.519,311.404 ccw(c733.08,311.843) 733.701,311.843 ; 733.723,312.243 731.688,310.208 ; 733.781,312.837 ccw(c733.312,313.307) 733.976,313.307 ccw(c734.64,313.307) 734.17,312.837 ; 733.781,318.348 cw(c733.312,317.879) 733.976,317.879 cw(c734.64,317.879) 734.17,318.348 ; 733.781,322.997 ccw(c733.312,323.467) 733.976,323.467 ccw(c734.64,323.467) 734.17,322.997 ; 733.781,328.508 cw(c733.312,328.039) 733.976,328.039 cw(c734.64,328.039) 734.17,328.508 ; 733.976,318.943 733.976,312.243 733.976,311.861 732.323,310.208 731.688,310.208 ; 733.976,329.103 733.976,322.403 733.976,321.767 732.704,320.495 720.385,320.495 719.177,319.287 719.177,318.943 719.177,312.243 719.177,310.651 718.422,309.896 674.088,309.896 673.933,310.051 673.933,310.462 ; 737.181,312.837 ccw(c736.712,313.307) 737.376,313.307 ccw(c738.04,313.307) 737.57,312.837 ; 737.181,318.348 cw(c736.712,317.879) 737.376,317.879 cw(c738.04,317.879) 737.57,318.348 ; 737.181,319.537 ccw(c736.712,320.007) 737.376,320.007 ccw(c738.04,320.007) 737.57,319.537 ; 737.181,321.808 cw(c736.712,321.339) 737.376,321.339 cw(c738.04,321.339) 737.57,321.808 ; 737.181,322.997 ccw(c736.712,323.467) 737.376,323.467 ccw(c738.04,323.467) 737.57,322.997 ; 737.181,328.508 cw(c736.712,328.039) 737.376,328.039 cw(c738.04,328.039) 737.57,328.508 ; 737.181,329.697 ccw(c736.712,330.167) 737.376,330.167 ccw(c738.04,330.167) 737.57,329.697 ; 541.922,394.65 542.181,394.91 542.791,394.91 ; 542.111,396.239 542.671,396.799 542.671,396.822 ; 542.671,395.91 542.671,396.314 ; 542.671,396.314 542.671,396.822 ; 548.005,310.716 564.007,310.716 ; 564.007,310.716 564.642,310.716 564.828,310.902 564.828,312.243 ; 583.027,310.208 583.027,310.716 ; 583.027,310.208 589.788,310.208 ; 683.822,394.65 684.081,394.91 684.691,394.91 ; 684.011,396.239 684.571,396.799 684.571,396.822 ; 684.571,395.91 684.571,396.314 ; 684.571,396.314 684.571,396.822 ; 689.905,310.716 705.907,310.716 ; 705.907,310.716 706.542,310.716 706.728,310.902 706.728,312.243 ; 724.927,310.208 724.927,310.716 ; 724.927,310.208 731.688,310.208
  Top Layer w0.6: 607.06,393.139 607.06,392.25 607.631,391.679 611.632,391.679 ; 748.96,393.139 748.96,392.25 749.531,391.679 753.532,391.679